# Altium PCB PCB3.PcbDoc (part 4 of 5) (continued)
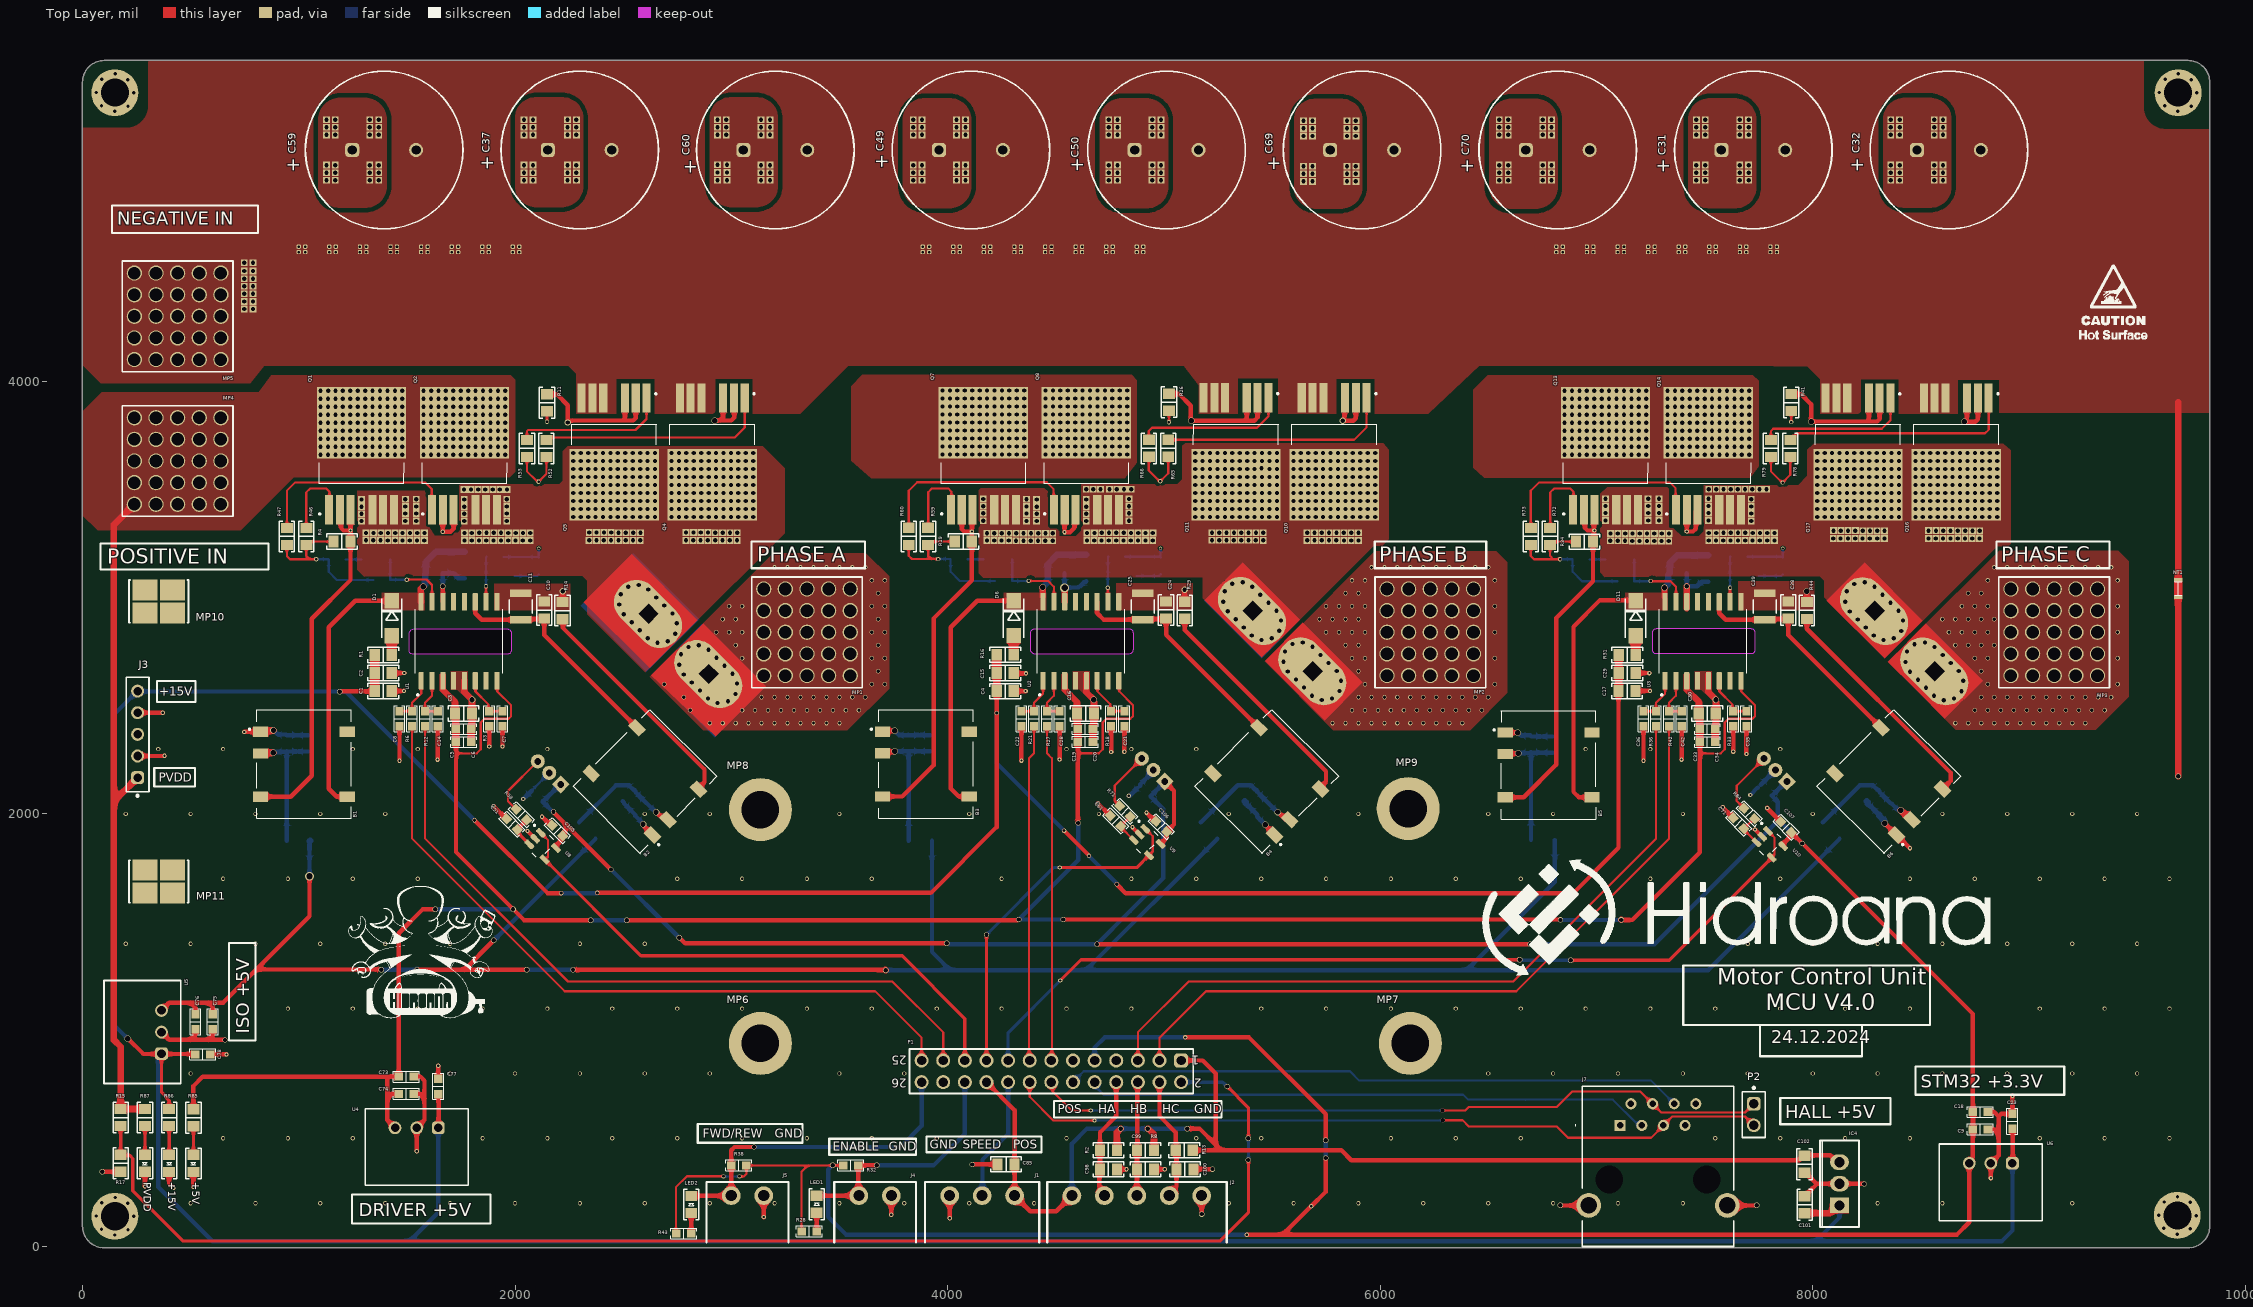
[diagram p0: Top Layer view]
## Nets (pads, with @x,y where several pads share a name; then routed paths per layer and width w, separated by ;. In a path a pad name is that pad's centre, name@x,y a point inside that pad or via, vN(x,y) a via of type N, cw(c..) or ccw(c..) an arc to the next point about the centre after c; other vN are vias at no path point) (continued)
  Top Layer w30: R15.1@172.61,635.64 R15.1@176.54,635.64 ; MP4.1@240,3432 145.54,3337.54 145.54,2058.54 ; J3.5@255,2168 145.54,2058.54 ; R87.1@288.7,635.64 R15.1@176.54,635.64 ; 145.54,2058.54 145.54,954.46 176.54,923.46 R15.1@176.54,635.64
SPEED: J1.2 P1.18 | length 574.7
  Bottom Layer w20: J1.2@4160,235 4161.59,236.59 4161.59,401.59 4280,520 P1.18@4280,760
V_Sense: P1.2 R15.2 R17.1 | length 6499.5
  Top Layer w15: R15.2@176.54,556.9 R17.1@176.54,423.96 178.32,422.19 217.82,422.19 233,407 233,258 466,25 5259,25 5391,157 v4(5391,400) ; v4(5293,740) 5391,642 v4(5391,501)
  Bottom Layer w15: P1.2@5080,760 5271.73,760 5291.73,740 v4(5293,740) ; v4(5391,400) v4(5391,501)
pads on no net: B1.8 B2.8 B3.8 B4.8 B5.8 B6.8 J3.3 J7.1 J7.2 J7.7 J7.8 J7.MH1 J7.MH2 MP6.1 MP7.1 MP8.1 MP9.1 MP10.1 MP11.1 U1.7 U1.12 U1.13 U2.7 U2.12 U2.13 U3.7 U3.12 U3.13
copper on no net:
  other v1: 2900,2420 2960,2420 2780,2540
  other v5: 149.02,53.39 9685.19,57.39 210.55,78.06 88.06,79.45 9746.72,82.06 9624.23,83.45 236.61,139.02 63.39,140.98 9772.79,143.02 9599.56,144.98 210.14,200.53 89.45,201.94 9746.32,204.53 9625.62,205.94 150.98,226.61 9687.16,230.61 149.02,5248.39 9689.02,5248.39 210.55,5273.06 9750.55,5273.06 88.06,5274.45 9628.06,5274.45 236.61,5334.02 9776.61,5334.02 63.39,5335.98 9603.39,5335.98 210.14,5395.53 9750.14,5395.53 89.45,5396.94 9629.45,5396.94 150.98,5421.61 9690.98,5421.61

## Polygon pours and split planes (outlines as drawn)
PHASE_A on Top Layer "PHASE_A_L01_P113" (solid, pour order 113): 2871,2387 3537,2387 3730,2580 3730,3098.64 3622.64,3206 3195,3206 2623.5,2634.5
A_VSS_H on Top Layer "A_VSS_H_L01_P175" (solid, pour order 175): 1743,3520 1747,3524 2204.1,3524 2221,3541.18 2221,3678.16 2243.52,3700.68 3145.41,3700.68 3248.09,3598 3248.09,3297.67 2602.35,2655.65 2334,2924 2334,3078 2311.13,3100.87 2290,3100.87 1340,3098.16 1301.87,3097 1270.87,3128 1270.87,3493.68 1590,3493.68 1588.19,3333.57 1595.55,3326 1603,3326 1628.1,3286 1709,3286 1743,3320
B_VSS_H on Top Layer "B_VSS_H_L01_P100" (solid, pour order 100): 5970.88,3239.11 6009.11,3239.11 6041,3271 6040.32,3308.31 6041,3308.99 6041,3683.56 6013.82,3714 5098.62,3714 5086,3702.77 5086,3548 5062,3524 4621,3524 4618.06,3521.06 4618.06,3521 4617.99,3319.43 4617.99,3308.99 4591,3282 4590,3283 4516,3283 4516,3309.43 4506,3319.43 4474,3319.43 4462.82,3330.18 4462.82,3331 4463.22,3491.76 4448.02,3507 4154,3507 4144,3497 4143.87,3495 4143.87,3113 4165.61,3091.26 5180,3094.54 5180,2997 5453.5,2723.5
A_VSS_L on Top Layer "Top Layer-A_VSS_L" (solid, pour order 162): 2925,3851 2925,4012 3100,4012 3100,3851 3320,3851 3541,4072 5091,4072 5161,3982.85 5161,3851 6223.74,3851 6459.25,4072 7819,4072 7821,4070 7975,4070 8036,4009 8036,3851 8223,3851 8223,4008 8222,4009 8398.81,4009 8398.81,3851 8672,3851 8672,4007 8861,4007 8862,4006 8862,3855 9836.17,3855 9836.17,5165.17 cw(c9838,5165.18) 9838,5167 9631,5167 cw(c9630.99,5266.99) 9531,5267 9531,5323.43 9531,5483.87 501.13,5483.87 359,5484.09 359,5484 304.01,5484.93 304.01,5273.02 cw(c204.03,5273) 204.01,5173.02 152.16,5173.02 0.82,5172.01 -1,5081 -1,4078 85,3992 774.81,3992 840.12,4071.92 2247.08,4071.92 2283.03,4035.97 2284.02,3851
C_VSS_H on Top Layer "C_VSS_H_L01_P101" (solid, pour order 101): 8853.39,3238.39 8905.39,3238.39 8916,3249 8916,3255 8916,3681.89 8881.88,3712 8004.36,3712 7975.21,3682.85 7975.21,3562.85 7933.36,3521 7496.53,3521 7496.53,3306 7474.53,3284 7394,3284 7356.22,3321.78 7339.44,3321.78 7334,3327.22 7333.9,3334 7334.28,3509.85 7079,3509.85 7049.24,3511 7018,3479.76 7018,3117 7039,3095.31 8024,3098.5 8033.21,3099 8053.21,3079 8053.21,3000.85 8334.53,2719.53
PHASE_B on Top Layer "PHASE_B_L01_P192" (solid, pour order 192): 5466.5,2705.5 5784,2388 6416,2388 6589,2561 6589,3164 6538,3215 5976,3215
GND on Top Layer "GND_L01_P050" (solid, pour order 50): 7455.72,2659 7455.72,2575 7484.72,2575 7532.72,2527 7532.72,2659
GND on Top Layer "GND_L01_P028" (solid, pour order 28): 4579.5,2659.5 4579.5,2575.5 4608.5,2575.5 4656.5,2527.5 4656.5,2659.5
GND on Top Layer "GND_L01_P014" (solid, pour order 14): 1704,2659 1704,2575 1733,2575 1781,2527 1781,2659
PHASE_C on Top Layer "PHASE_C_L01_P188" (solid, pour order 188): 8348,2703 8661,2390 9309,2390 9462,2543 9462,3169 9413,3218 8863,3218
"kelvin 6" on Top Layer "KELVIN_6_L01_P047" (solid, pour order 47): 7655.88,3076.13 8007,3076.13 8007,2941 7655.88,2941
"kelvin 4" on Top Layer "KELVIN_4_L01_P044" (solid, pour order 44): 4779.65,3067 5134,3067 5134,2941.5 4779.65,2941.5
ISO_+12_C_H on Top Layer "ISO_+12_C_H_L01_P027" (solid, pour order 27): 7331,3022 7134.52,3022 7133.52,2941 7331,2941
ISO_+12_B_H on Top Layer "ISO_+12_B_H_L01_P025" (solid, pour order 25): 4456,3022.5 4258.7,3022.5 4257.7,2941.5 4456,2941.5
"kelvin 2" on Top Layer "KELVIN_2_L01_P015" (solid, pour order 15): 1904.15,3064 2255,3064 2255,2941 1904.15,2941
ISO_+12_A_H on Top Layer "ISO_+12_A_H_L01_P012" (solid, pour order 12): 1582,3023 1383.22,3023 1382.2,2941 1582,2941
PVDD on Top Layer "PVDD_L01_P172" (solid, pour order 172): 729.5,3311 731.06,3311 883,3462.94 976.54,3557 1975,3557 2000,3582 2000,4007 1980,4028 873,4028 814.5,3950 90,3950 0,3860 0,3382 71,3311 717,3311
PVDD on Top Layer "PVDD_L01_P133" (solid, pour order 133): 7751.72,4003.5 7723.22,4029.5 6497.5,4029.5 6430,3962 6430,3600.07 6481.99,3555 7711.48,3555 7751.72,3606.59
PVDD on Top Layer "PVDD_L01_P104" (solid, pour order 104): 4875.5,4006 4851.5,4030 3606,4030 3553.78,3977.78 3553.78,3634 3647.22,3553 4819.34,3553 4875.5,3625
PVDD on Top Layer "NONET_L-01_P-001" (solid, pour order 10): 1191,5311.5 ccw(c1191,5211.5) 1091,5211.5 1091,4902.5 ccw(c1191,4902.5) 1191,4802.5 1307,4802.5 ccw(c1307,4902.5) 1407,4902.5 1407,5211.5 ccw(c1307,5211.5) 1307,5311.5
PVDD on Top Layer "NONET_L-01_P-001" (solid, pour order 9): 2100,5314.5 ccw(c2100,5214.5) 2000,5214.5 2000,4905.5 ccw(c2100,4905.5) 2100,4805.5 2216,4805.5 ccw(c2216,4905.5) 2316,4905.5 2316,5214.5 ccw(c2216,5214.5) 2216,5314.5
PVDD on Top Layer "NONET_L-01_P-001" (solid, pour order 8): 3000,5314.5 ccw(c3000,5214.5) 2900,5214.5 2900,4905.5 ccw(c3000,4905.5) 3000,4805.5 3116,4805.5 ccw(c3116,4905.5) 3216,4905.5 3216,5214.5 ccw(c3116,5214.5) 3116,5314.5
PVDD on Top Layer "NONET_L-01_P-001" (solid, pour order 7): 3893.29,5309.71 ccw(c3893.29,5209.71) 3793.29,5209.71 3793.29,4900.71 ccw(c3893.29,4900.71) 3893.29,4800.71 4009.29,4800.71 ccw(c4009.29,4900.71) 4109.29,4900.71 4109.29,5209.71 ccw(c4009.29,5209.71) 4009.29,5309.71
PVDD on Top Layer "NONET_L-01_P-001" (solid, pour order 6): 4804.15,5309 ccw(c4804.15,5209) 4704.15,5209 4704.15,4900 ccw(c4804.15,4900) 4804.15,4800 4920.15,4800 ccw(c4920.15,4900) 5020.15,4900 5020.15,5209 ccw(c4920.15,5209) 4920.15,5309
PVDD on Top Layer "NONET_L-01_P-001" (solid, pour order 5): 5702.08,5307.79 ccw(c5702.08,5207.79) 5602.08,5207.79 5602.08,4898.79 ccw(c5702.08,4898.79) 5702.08,4798.79 5818.08,4798.79 ccw(c5818.08,4898.79) 5918.08,4898.79 5918.08,5207.79 ccw(c5818.08,5207.79) 5818.08,5307.79
PVDD on Top Layer "NONET_L-01_P-001" (solid, pour order 4): 6604.49,5307.08 ccw(c6604.49,5207.08) 6504.49,5207.08 6504.49,4898.08 ccw(c6604.49,4898.08) 6604.49,4798.08 6720.49,4798.08 ccw(c6720.49,4898.08) 6820.49,4898.08 6820.49,5207.08 ccw(c6720.49,5207.08) 6720.49,5307.08
PVDD on Top Layer "NONET_L-01_P-001" (solid, pour order 1): 7524.15,5309 ccw(c7524.15,5209) 7424.15,5209 7424.15,4900 ccw(c7524.15,4900) 7524.15,4800 7640.15,4800 ccw(c7640.15,4900) 7740.15,4900 7740.15,5209 ccw(c7640.15,5209) 7640.15,5309
PVDD on Top Layer "NONET_L-01_P-001" (solid, pour order 0): 8426,5311.5 ccw(c8426,5211.5) 8326,5211.5 8326,4902.5 ccw(c8426,4902.5) 8426,4802.5 8542,4802.5 ccw(c8542,4902.5) 8642,4902.5 8642,5211.5 ccw(c8542,5211.5) 8542,5311.5
A_VSS_H on Bottom Layer "NONET_L-01_P-001" (solid, pour order 180): 1026.45,3478 1027,3478 1085,3538.84 2201.45,3538.84 2223,3560.39 2223,3682.36 2253,3715 3130.75,3716.55 3333.95,3513.34 3612.45,3513.34 3623.45,3502.34 3623.45,3265.84 3595.45,3237.84 3187.45,3237.84 2602.45,2652.84 2490.11,2765.19 1115.98,2760.53 1107.45,2756 1026.45,2837
PHASE_A on Bottom Layer "PHASE_A_L04_P177" (solid, pour order 177): 2868,2387 3537,2387 3730,2580 3730,3098.64 3623.64,3205 3194,3205 2622,2633
B_VSS_H on Bottom Layer "B_VSS_H_L04_P152" (solid, pour order 152): 3799.53,3483 3845.53,3529 3876,3529.52 5078.48,3529.52 5095.48,3546.52 5095.48,3700.56 5117.34,3720 6028.99,3720 6219.47,3529.52 6222.95,3533 6528.81,3533 6558,3502.35 6558,3291.46 6505.4,3240 5968.52,3240 5452.67,2720.33 5398.48,2774.52 3889.48,2774.52 3798.3,2865.69 3799.53,3154.39
C_VSS_H on Bottom Layer "C_VSS_H_L04_P112" (solid, pour order 112): 6625,3483 6638,3494 6666,3522 7940,3522 7977,3559 7977,3679 8010,3712 8884.01,3712 8900.01,3696 9364,3696 9406,3654 9406,3288 9405,3266.24 9377,3238.24 8850.19,3235.19 8333.5,2718.5 8240.5,2811.5 6797.5,2811.5 6625,2984 6625,3195.37
PHASE_B on Bottom Layer "PHASE_B_L04_P139" (solid, pour order 139): 5466.5,2705.5 5784,2388 6416,2388 6589,2561 6589,3164 6538,3215 5976,3215
PHASE_C on Bottom Layer "PHASE_C_L04_P103" (solid, pour order 103): 8348,2703 8661,2390 9309,2390 9462,2543 9462,3169 9413,3218 8863,3218
A_VSS_L on Bottom Layer "A_VSS_L_L04_P197" (solid, pour order 197): 165,3990 93,4056 93,4561 143,4611 802,4611 845,4568 844,4567 844,4328 758,4242 761,4056 695,3990
PVDD on Bottom Layer "Bottom Layer-No Net" (solid, pour order 105): 7914,3569 7934,3589 7933.98,3591 7933.98,3721.36 7962.13,3746 9836.17,3746 9836.17,4673.83 9836,5067.79 9836,5075.28 ccw(c9819.93,5075.28) 9819.92,5091.36 9500.64,5091.36 cw(c9500.64,5130.49) 9461.51,5130.49 9461.51,5437.83 ccw(c9413.64,5437.83) 9413.64,5485.71 cw(c9412.93,5485) 9412.93,5484 482,5484 415,5417 415,4715 490,4640 792,4640 859,4573 859,4094 715,3950 170,3950 100,3880 100,3370 170,3300 710,3300 994,3584 2173,3584 2182,3593 2182,3723 2208,3749 3177,3749 3365,3561 5041,3561 5054,3574 5054,3732 5071,3749 6068,3749 6248,3569
A_VSS_L on Bottom Layer "A_VSS_L_L04_P069" (solid, pour order 69): 4957.44,4653 cw(c4957.44,4625.44) 4985,4625.44 4985,4535.49 cw(c4957.44,4535.49) 4957.44,4507.93 3832.56,4507.93 cw(c3832.56,4535.49) 3805,4535.49 3805,4625.44 cw(c3832.56,4625.44) 3832.56,4653
A_VSS_L on Bottom Layer "A_VSS_L_L04_P068" (solid, pour order 68): 2072.44,4653 cw(c2072.44,4625.44) 2100,4625.44 2100,4535.49 cw(c2072.44,4535.49) 2072.44,4507.93 947.56,4507.93 cw(c947.56,4535.49) 920,4535.49 920,4625.44 cw(c947.56,4625.44) 947.56,4653
A_VSS_L on Bottom Layer "A_VSS_L_L04_P066" (solid, pour order 66): 7887.44,4653 cw(c7887.44,4625.44) 7915,4625.44 7915,4535.49 cw(c7887.44,4535.49) 7887.44,4507.93 6762.56,4507.93 cw(c6762.56,4535.49) 6735,4535.49 6735,4625.44 cw(c6762.56,4625.44) 6762.56,4653
A_VSS_L on Top Solder "NONET_L-01_P-001" (solid): 6912.28,5282 6912.28,4832 ccw(c6932.28,4832) 6932.28,4812 7002.28,4812 ccw(c7002.28,4832) 7022.28,4832 7022.28,5282 ccw(c7002.28,5282) 7002.28,5302 6932.28,5302 ccw(c6932.28,5282)
A_VSS_L on Top Solder "NONET_L-01_P-001" (solid): 6007.28,5282 6007.28,4832 ccw(c6027.28,4832) 6027.28,4812 6097.28,4812 ccw(c6097.28,4832) 6117.28,4832 6117.28,5282 ccw(c6097.28,5282) 6097.28,5302 6027.28,5302 ccw(c6027.28,5282)
A_VSS_H on Top Solder "NONET_L-01_P-001" (solid): 5107.28,5282 5107.28,4832 ccw(c5127.28,4832) 5127.28,4812 5197.28,4812 ccw(c5197.28,4832) 5217.28,4832 5217.28,5282 ccw(c5197.28,5282) 5197.28,5302 5127.28,5302 ccw(c5127.28,5282)
PVDD on Top Solder "NONET_L-01_P-001" (solid): 7527,5282 7527,4832 ccw(c7547,4832) 7547,4812 7617,4812 ccw(c7617,4832) 7637,4832 7637,5282 ccw(c7617,5282) 7617,5302 7547,5302 ccw(c7547,5282)
PVDD on Top Solder "NONET_L-01_P-001" (solid): 6617,5282 6617,4832 ccw(c6637,4832) 6637,4812 6707,4812 ccw(c6707,4832) 6727,4832 6727,5282 ccw(c6707,5282) 6707,5302 6637,5302 ccw(c6637,5282)
PVDD on Top Solder "NONET_L-01_P-001" (solid): 5712,5282 5712,4832 ccw(c5732,4832) 5732,4812 5802,4812 ccw(c5802,4832) 5822,4832 5822,5282 ccw(c5802,5282) 5802,5302 5732,5302 ccw(c5732,5282)
PVDD on Top Solder "NONET_L-01_P-001" (solid): 4812,5282 4812,4832 ccw(c4832,4832) 4832,4812 4902,4812 ccw(c4902,4832) 4922,4832 4922,5282 ccw(c4902,5282) 4902,5302 4832,5302 ccw(c4832,5282)
PVDD on Top Solder "NONET_L-01_P-001" (solid): 3002,5282 3002,4832 ccw(c3022,4832) 3022,4812 3092,4812 ccw(c3092,4832) 3112,4832 3112,5282 ccw(c3092,5282) 3092,5302 3022,5302 ccw(c3022,5282)
PVDD on Top Solder "NONET_L-01_P-001" (solid): 3902,5282 3902,4832 ccw(c3922,4832) 3922,4812 3992,4812 ccw(c3992,4832) 4012,4832 4012,5282 ccw(c3992,5282) 3992,5302 3922,5302 ccw(c3922,5282)
A_VSS_H on Top Solder "NONET_L-01_P-001" (solid): 4197.28,5282 4197.28,4832 ccw(c4217.28,4832) 4217.28,4812 4287.28,4812 ccw(c4287.28,4832) 4307.28,4832 4307.28,5282 ccw(c4287.28,5282) 4287.28,5302 4217.28,5302 ccw(c4217.28,5282)
A_VSS_L on Top Solder "NONET_L-01_P-001" (solid): 3297.28,5282 3297.28,4832 ccw(c3317.28,4832) 3317.28,4812 3387.28,4812 ccw(c3387.28,4832) 3407.28,4832 3407.28,5282 ccw(c3387.28,5282) 3387.28,5302 3317.28,5302 ccw(c3317.28,5282)
A_VSS_L on Top Solder "NONET_L-01_P-001" (solid): 814.62,4080 9091,4080 9091,4680 814.62,4680
A_VSS_L on Top Solder "NONET_L-01_P-001" (solid): 8722.28,5282 8722.28,4832 ccw(c8742.28,4832) 8742.28,4812 8812.28,4812 ccw(c8812.28,4832) 8832.28,4832 8832.28,5282 ccw(c8812.28,5282) 8812.28,5302 8742.28,5302 ccw(c8742.28,5282)
A_VSS_L on Top Solder "NONET_L-01_P-001" (solid): 7822.28,5282 7822.28,4832 ccw(c7842.28,4832) 7842.28,4812 7912.28,4812 ccw(c7912.28,4832) 7932.28,4832 7932.28,5282 ccw(c7912.28,5282) 7912.28,5302 7842.28,5302 ccw(c7842.28,5282)
PVDD on Top Solder "NONET_L-01_P-001" (solid): 8427,5282 8427,4832 ccw(c8447,4832) 8447,4812 8517,4812 ccw(c8517,4832) 8537,4832 8537,5282 ccw(c8517,5282) 8517,5302 8447,5302 ccw(c8447,5282)
A_VSS_L on Top Solder "NONET_L-01_P-001" (solid): 2391.28,5282 2391.28,4832 ccw(c2411.28,4832) 2411.28,4812 2481.28,4812 ccw(c2481.28,4832) 2501.28,4832 2501.28,5282 ccw(c2481.28,5282) 2481.28,5302 2411.28,5302 ccw(c2411.28,5282)
A_VSS_H on Top Solder "NONET_L-01_P-001" (solid): 1487.28,5282 1487.28,4832 ccw(c1507.28,4832) 1507.28,4812 1577.28,4812 ccw(c1577.28,4832) 1597.28,4832 1597.28,5282 ccw(c1577.28,5282) 1577.28,5302 1507.28,5302 ccw(c1507.28,5282)
PVDD on Top Solder "NONET_L-01_P-001" (solid): 2096,5282 2096,4832 ccw(c2116,4832) 2116,4812 2186,4812 ccw(c2186,4832) 2206,4832 2206,5282 ccw(c2186,5282) 2186,5302 2116,5302 ccw(c2116,5282)
PVDD on Top Solder "NONET_L-01_P-001" (solid): 1192,5282 1192,4832 ccw(c1212,4832) 1212,4812 1282,4812 ccw(c1282,4832) 1302,4832 1302,5282 ccw(c1282,5282) 1282,5302 1212,5302 ccw(c1212,5282)
GND on Int1 (GND) "NONET_L-01_P-001" (solid, remove dead copper, pour order 185): 7682.93,2681.19 8091.11,2273 9805.08,2273 9808.8,373 9808.93,309 9591,309 ccw(c9591,209) 9491,209 9491,-4.83 337,38.74 337,207.74 ccw(c245.76,207.76) 245.74,299 36,299 36,2685.44 873.37,2685.44 1907.98,2691.49 2421.47,2178 3451,2178 3957.55,2684.55 4815.99,2692.8 5330.79,2178 6361,2178 6861.07,2678.07 7075.93,2678.07
A_VSS_H on Int1 (GND) "NONET_L-01_P-001" (solid, pour order 178): 3623,3265 3595,3237 3187,3237 2602,2652 2489.66,2764.34 729.62,2758.38 715,2773 715,3227 1026,3538 2201,3538 2236,3573 2236,3759 2260,3783 3063,3783 3333.5,3512.5 3612,3512.5 3623,3501.5
PHASE_A on Int1 (GND) "PHASE_A_L02_P098" (solid, pour order 98): 2868,2387 3537,2387 3730,2580 3730,3098.64 3623.64,3205 3194,3205 2622,2633
B_VSS_H on Int1 (GND) "B_VSS_H_L02_P193" (solid, pour order 193): 3799.53,3483 3845.53,3529.52 5078.48,3529.52 5095.48,3546.52 5095.48,3717.2 5173.94,3787 5961.99,3787 6219.47,3529.52 6531.56,3529.52 6558,3503.08 6558,3297 6501,3240 5968.52,3240 5453.67,2721.33 5400.48,2774.52 3892.48,2774.52 3798.32,2868.68 3799.53,3154.39
C_VSS_H on Int1 (GND) "C_VSS_H_L02_P171" (solid, pour order 171): 6625,3483 6660,3518 6666,3522 7940,3522 7977,3559 7977,3724.84 8012.16,3760 9380,3764.5 9407.06,3736.94 9407.06,3731.99 9405.97,3288 9406,3281.43 9376,3251.44 8863.47,3248.47 8333.5,2718.5 8240.5,2811.5 6712.5,2811.5 6625,2899 6625,3195.37
PHASE_C on Int1 (GND) "PHASE_C_L02_P187" (solid, pour order 187): 8348,2703 8661,2390 9309,2390 9462,2543 9462,3169 9413,3218 8863,3218
PHASE_B on Int1 (GND) "PHASE_B_L02_P191" (solid, pour order 191): 5466.5,2705.5 5784,2388 6416,2388 6589,2561 6589,3164 6538,3215 5976,3215
A_VSS_L on Int1 (GND) "A_VSS_L_L02_P195" (solid, pour order 195): 165,3990 93,4056 93,4561 143,4611 802,4611 845,4568 844,4567 844,4328 758,4242 761,4056 695,3990
PVDD on Int1 (GND) "Bottom Layer-No Net" (solid, pour order 130): 7756,3569 7756,3854 9836,3854 9836,4715 9836,5075.28 ccw(c9819.93,5075.29) 9819.92,5091.36 9503,5091.36 cw(c9503,5134.71) 9459.64,5134.71 9459.64,5485 9346,5485 500,5485 415,5400 415,4715 490,4640 850,4640 870,4620 870,4285 790,4205 790,4025 715,3950 170,3950 100,3880 100,3370 151,3319 753,3319 995,3561 1971,3561 1987,3587 1997,3602 1997,3812 2029,3845 2041,3845 2440,3845 3081,3845 3365,3561 4862,3561 4862,3824 4895,3857 4900,3855 5962,3855 6248,3569
GND on Int2 (PWR) "NONET_L-01_P-001" (solid, remove dead copper, pour order 1268): 7682.93,2681.19 8091.11,2273 9805.08,2273 9808.8,373 9808.93,309 9591,309 ccw(c9591,209) 9491,209 9491,-4.83 337,38.74 337,207.74 ccw(c245.76,207.76) 245.74,299 36,299 36,2685.44 873.37,2685.44 1907.98,2691.49 2421.47,2178 3451,2178 3957.55,2684.55 4815.99,2692.8 5330.79,2178 6361,2178 6861.07,2678.07 7075.93,2678.07
A_VSS_H on Int2 (PWR) "NONET_L-01_P-001" (solid, pour order 179): 3623,3265 3595,3237 3187,3237 2602,2652 2489.66,2764.34 729.62,2758.38 715,2773 715,3227 1026,3538 2201,3538 2236,3573 2236,3759 2260,3783 3063,3783 3333.5,3512.5 3612,3512.5 3623,3501.5
PHASE_A on Int2 (PWR) "PHASE_A_L03_P176" (solid, pour order 176): 2868,2387 3537,2387 3730,2580 3730,3098.64 3623.64,3205 3194,3205 2622,2633
B_VSS_H on Int2 (PWR) "B_VSS_H_L03_P167" (solid, pour order 167): 3799.53,3483 3845.53,3529.52 5078.48,3529.52 5095.48,3546.52 5095.48,3717.2 5173.94,3787 5961.99,3787 6219.47,3529.52 6531.56,3529.52 6558,3503.08 6558,3297 6501,3240 5968.52,3240 5453.67,2721.33 5400.48,2774.52 3892.48,2774.52 3798.32,2868.68 3799.53,3154.39
PHASE_B on Int2 (PWR) "PHASE_B_L03_P190" (solid, pour order 190): 5466.5,2705.5 5784,2388 6416,2388 6589,2561 6589,3164 6538,3215 5976,3215
C_VSS_H on Int2 (PWR) "C_VSS_H_L03_P189" (solid, pour order 189): 6625,3483 6660,3518 6666,3522 7940,3522 7977,3559 7977,3724.84 8012.16,3760 9380,3764.5 9407.06,3736.94 9407.06,3731.99 9405.97,3288 9406,3281.43 9376,3251.44 8863.47,3248.47 8333.5,2718.5 8240.5,2811.5 6797.5,2811.5 6625,2984 6625,3195.37
PHASE_C on Int2 (PWR) "PHASE_C_L03_P186" (solid, pour order 186): 8348,2703 8661,2390 9309,2390 9462,2543 9462,3169 9413,3218 8863,3218
A_VSS_L on Int2 (PWR) "A_VSS_L_L03_P196" (solid, pour order 196): 165,3990 93,4056 93,4561 143,4611 802,4611 845,4568 844,4567 844,4328 758,4242 761,4056 695,3990
PVDD on Int2 (PWR) "Bottom Layer-No Net" (solid, pour order 165): 7728,3569 7756,3598 7756,3854 9836,3854 9836,4715 9836,5075.28 ccw(c9819.93,5075.29) 9819.92,5091.36 9503,5091.36 cw(c9503,5134.71) 9459.64,5134.71 9459.64,5485 9346,5485 500,5485 415,5400 415,4715 490,4640 850,4640 870,4620 870,4285 790,4205 790,4025 715,3950 170,3950 100,3880 100,3370 151,3319 753,3319 995,3561 1971,3561 1987,3587 1997,3602 1997,3812 2029,3845 2041,3845 2440,3845 3081,3845 3365,3561 4846,3561 4875,3590 4875,3837 4895,3857 4900,3855 5962,3855 6248,3569
A_VSS_H on Bottom Solder "NONET_L-01_P-001" (solid): 2084.16,3231 2092.2,3239.04 2127.37,3239.04 2134.9,3231 3144.87,3231 3144.87,3538 2162,3538 2137.82,3513.82 2087.18,3513.82 2063,3538 1084.87,3538 1084.87,3231
PVDD on Bottom Solder "NONET_L-01_P-001" (solid, pour order 122): 7817.63,3605 7933.98,3721.36 7935.34,3720 9090,3720 9090,4393 882,4393 882,3632 2123,3632 2211,3720 3206,3720 3328,3598 4936,3598 5058,3720 6075,3720 6190,3605
B_VSS_H on Bottom Solder "NONET_L-01_P-001" (solid): 4962.83,3230 4974.31,3241.48 5006.52,3241.48 5018,3230 6018.18,3230 6018.18,3528.27 5028.27,3528.27 5004.09,3504.09 4971.62,3504.09 4946.17,3528.27 3958.18,3528.27 3958.18,3230
C_VSS_H on Bottom Solder "NONET_L-01_P-001" (solid): 7836.72,3240 7854.26,3257.54 7881.46,3257.54 7898,3240 8890,3240 8890,3527 7895,3527 7880.36,3512.36 7849.15,3512.36 7834.51,3527 6830,3527 6830,3240

## Other copper
Top Layer:
  region net PHASE_A: 2630.24,2641.24 2869.5,2880.5 3160,2590 2928.27,2358.27
  region net PHASE_B: 5743.5,2433.5 5918.11,2608.11 5642.93,2883.29 5468.32,2708.68
  region net PHASE_C: 8611.33,2441.4 8785.94,2616.01 8523.47,2878.47 8348.86,2703.86
  region net A_VSS_H: 2622,2675 2843.5,2896.5 2540,3200 2318.5,2978.5
  region net C_VSS_H: 8332.94,2719.79 8507.55,2894.4 8240.77,3161.18 8066.16,2986.57
  region net B_VSS_H: 5453,2724 5627.61,2898.61 5364.55,3161.68 5189.93,2987.07
  pour cut-out: 2468.33,3848.99 2468.33,4011.5 2646.33,4011.5 2646.33,4005.5 2646.33,3850
  pour cut-out: 5798,3849.49 5798,4012 5976,4012 5976,4006 5976,3850.5
  pour cut-out: 5341,3851 5341,4013.5 5529,4013.5 5529,3851
Int1 (GND):
  region net PHASE_B: 5743.5,2433.5 5918.11,2608.11 5642.93,2883.29 5468.32,2708.68
Bottom Layer:
  region net PHASE_A: 2863.67,2876.33 3155,2585 2924.5,2354.5 2633.83,2645.17
  region net PHASE_B: 5743.5,2433.5 5918.11,2608.11 5642.93,2883.29 5468.32,2708.68
  region net PHASE_C: 8611.36,2441.36 8787,2617 8524.5,2879.5 8348.86,2703.86
  region net A_VSS_H: 2545.65,3206.35 2850.96,2901.04 2607.46,2657.54 2302.85,2962.15
  region net C_VSS_H: 8332.94,2719.79 8507.55,2894.4 8240.77,3161.18 8066.16,2986.57
  region net B_VSS_H: 5452.5,2720.5 5629.11,2897.11 5364.55,3161.68 5187.93,2985.07